# KiCad board 32u2.kicad_pcb
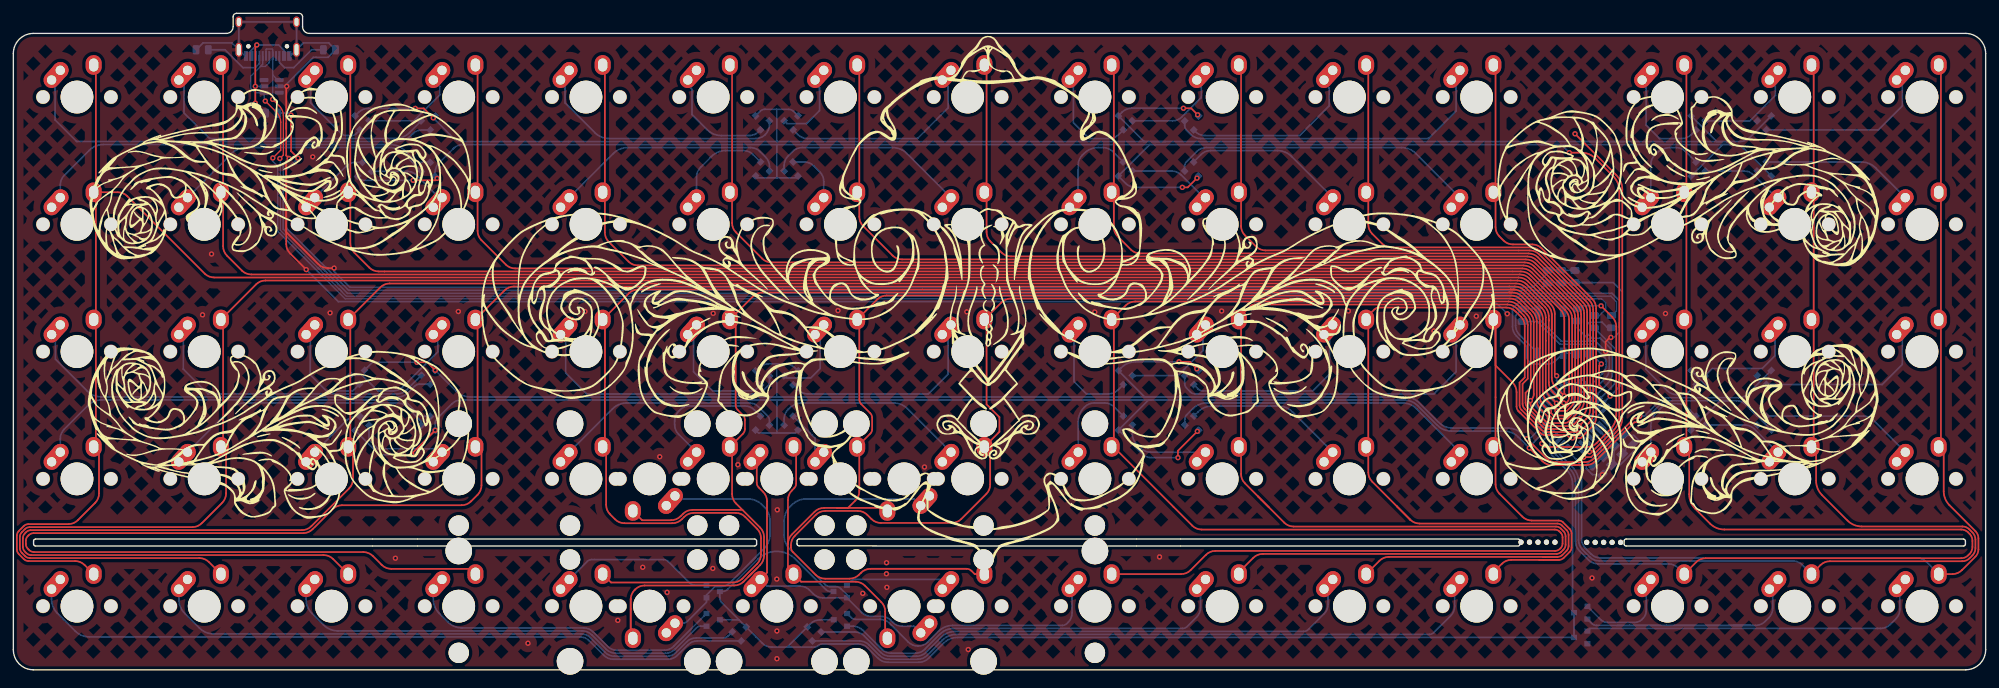
[diagram p0: board, top side]
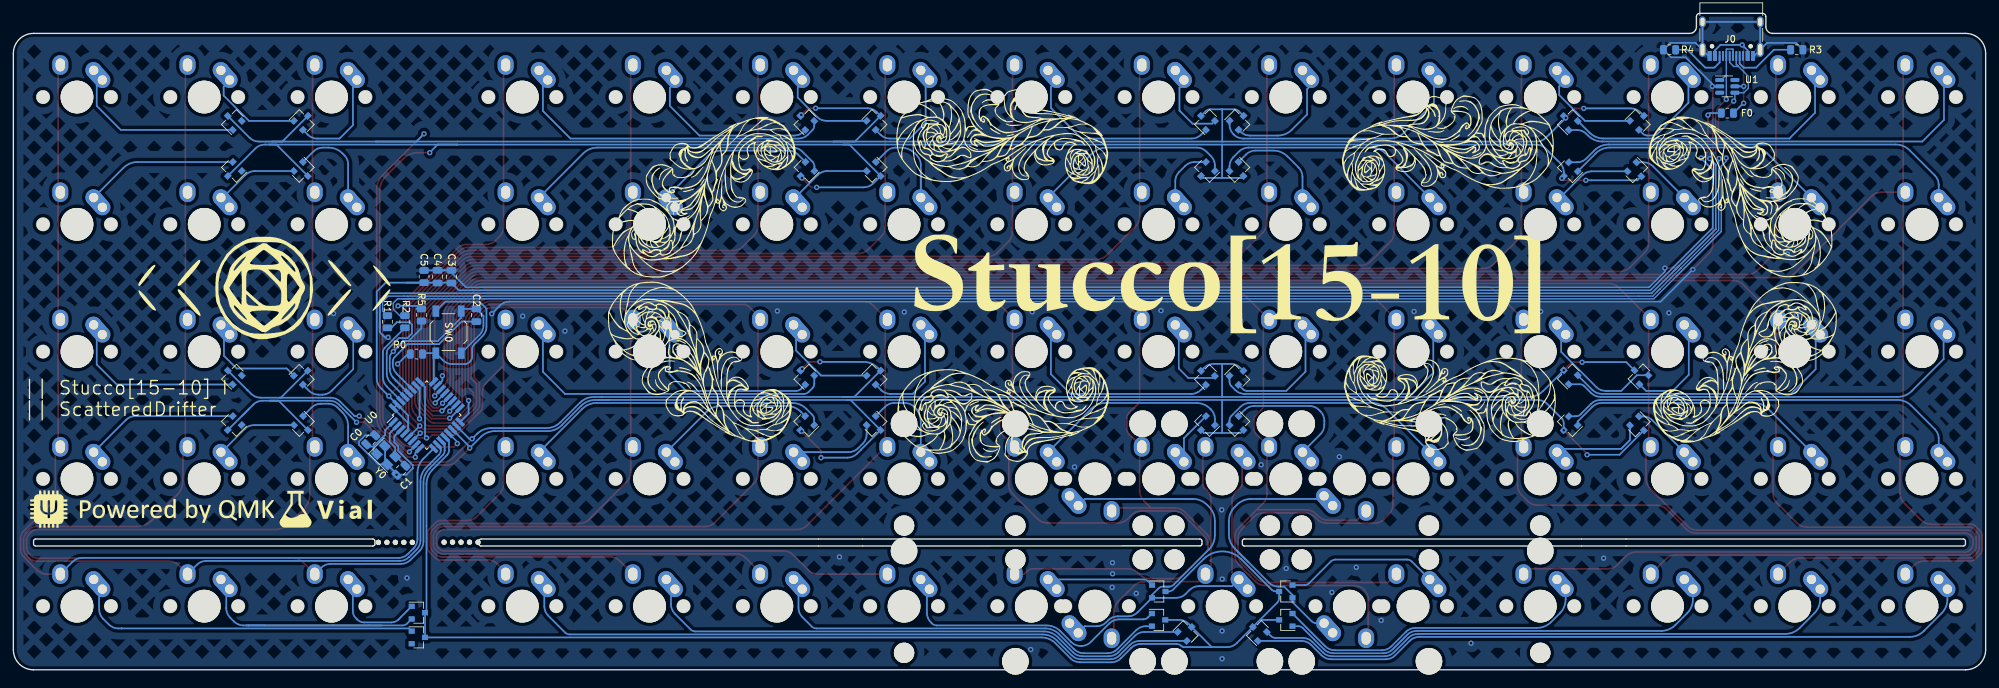
[diagram p1: board, bottom side, seen from below]

Outline 295.27 x 98.25 mm; copper layers: Top, Bottom. Coordinates in mm from the lower left corner of the outline.
Outline path: 0,92.25 arc(0.88,94.37) 3,95.25 31.9,95.25 arc(32.61,95.54) 32.9,96.25 32.9,97.75 arc(33.05,98.1) 33.4,98.25 42.8,98.25 arc(43.15,98.1) 43.3,97.75 43.3,96.25 arc(43.59,95.54) 44.3,95.25 292.27,95.25 arc(294.4,94.37) 295.27,92.25 295.27,3 arc(294.4,0.88) 292.27,0 3,0 arc(0.88,0.88) 0,3 0,92.25 ; 3.02,19.28 3.02,18.83 arc(3.11,18.61) 3.32,18.53 110.97,18.53 arc(111.19,18.61) 111.27,18.83 111.27,19.28 arc(111.19,19.49) 110.97,19.58 3.32,19.58 arc(3.11,19.49) 3.02,19.28 ; 117.33,19.28 117.33,18.85 arc(117.41,18.64) 117.62,18.55 168.12,18.53 174.78,18.53 225.28,18.53 arc(225.49,18.61) 225.58,18.83 225.58,19.28 arc(225.49,19.49) 225.28,19.58 117.62,19.58 arc(117.41,19.49) 117.33,19.28 ; 241.15,19.28 241.15,18.83 arc(241.24,18.61) 241.45,18.53 291.95,18.53 arc(292.16,18.61) 292.25,18.83 292.25,19.28 arc(292.16,19.49) 291.95,19.58 241.45,19.58 arc(241.24,19.49) 241.15,19.28
Stack: Top 0.035mm / dielectric 1.51mm FR4 er 4.5 / Bottom 0.035mm

## Placement (name value [footprint] x y rotation side)
C0  22pf  [C_0805_2012Metric]  241.78 34.43 315 bottom
C1  22pf  [C_0805_2012Metric]  237.24 29.87 135 bottom
C2  1uf  [C_0805_2012Metric]  225.95 53.07 90 bottom
C3  .1uf / 100nf  [C_0805_2012Metric]  229.69 58.84 90 bottom
C4  .1uf / 100nf  [C_0805_2012Metric]  231.77 58.84 90 bottom
C5  10uf  [R_0805_2012Metric]  233.78 58.86 90 bottom
D1  BAV70  [SOT-23]  62.44 82.18 45 bottom
D2  BAV70  [SOT-23]  51.87 82.2 135 bottom
D3  BAV70  [SOT-23]  111.81 82.2 135 bottom
D4  BAV70  [SOT-23]  116.77 82.2 45 bottom
D5  BAV70  [SOT-23]  166.15 82.2 135 bottom
D6  BAV70  [SOT-23]  176.75 82.18 45 bottom
D7  BAV70  [SOT-23]  251.89 82.19 135 bottom
D8  BAV70  [SOT-23]  262.46 82.19 45 bottom
D9  BAV70  [SOT-23]  62.44 74.58 315 bottom
D10  BAV70  [SOT-23]  52.24 74.58 225 bottom
D11  BAV70  [SOT-23]  111.83 74.62 225 bottom
D12  BAV70  [SOT-23]  116.77 74.62 315 bottom
D13  BAV70  [SOT-23]  166.12 74.62 225 bottom
D14  BAV70  [SOT-23]  176.73 74.62 315 bottom
D15  BAV70  [SOT-23]  251.9 74.62 225 bottom
D16  BAV70  [SOT-23]  262.45 74.62 315 bottom
D17  BAV70  [SOT-23]  62.45 44.12 45 bottom
D18  BAV70  [SOT-23]  51.86 44.12 45 bottom
D19  BAV70  [SOT-23]  111.83 44.03 135 bottom
D20  BAV70  [SOT-23]  116.77 44.03 45 bottom
D21  BAV70  [SOT-23]  166.15 44.07 135 bottom
D22  BAV70  [SOT-23]  176.75 44.07 45 bottom
D23  BAV70  [SOT-23]  251.9 44.06 135 bottom
D24  BAV70  [SOT-23]  262.45 44.08 45 bottom
D25  BAV70  [SOT-23]  62.45 36.56 315 bottom
D26  BAV70  [SOT-23]  51.86 36.55 225 bottom
D27  BAV70  [SOT-23]  111.83 36.59 225 bottom
D28  BAV70  [SOT-23]  116.77 36.59 315 bottom
D29  BAV70  [SOT-23]  166.15 36.59 225 bottom
D30  BAV70  [SOT-23]  176.77 36.59 315 bottom
D31  BAV70  [SOT-23]  251.88 36.59 225 bottom
D32  BAV70  [SOT-23]  262.46 36.59 315 bottom
D33  BAV70  [SOT-23]  108.99 5.7 45 bottom
D34  BAV70  [SOT-23]  104.77 7.48 0 bottom
D35  BAV70  [SOT-23]  104.77 11.73 0 bottom
D36  BAV70  [SOT-23]  123.8 11.73 180 bottom
D37  BAV70  [SOT-23]  123.82 7.48 180 bottom
D38  BAV70  [SOT-23]  119.57 5.7 135 bottom
D39  BAV70  [SOT-23]  234.65 8.55 180 bottom
D40  BAV70  [SOT-23]  234.65 4.85 180 bottom
F0  Polyfuse  [R_0805_2012Metric]  38.67 83.33 0 bottom
G***  LOGO  [test_stuck_mainornament_smaller]  146.45 35.95 0 top
G***#2  LOGO  [test_stuck_resized_flipped]  6.13 88.52 180 top
G***#3  LOGO  [test_stuck_resized]  284.56 87.46 180 top
G***#4  LOGO  [test_stuck_resized_flipped]  284.51 21.68 0 top
G***#5  LOGO  [test_stuck_resized]  5.88 21.19 0 top
G***#6  LOGO  [vial_logo]  247.59 24 180 bottom
G***#7  LOGO  [stucco_logo]  114.3 58.2 180 bottom
G***#8  LOGO  [test_stuck_ornament_small]  128.31 30.24 180 bottom
G***#9  LOGO  [test_stuck_ornament_small]  99.28 86.76 0 bottom
G***#10  LOGO  [test_stuck_ornament_small]  43.4 90.9 45 bottom
G***#11  LOGO  [qmk]  274.41 24.08 180 bottom
G***#12  LOGO  [test_mylogo]  411.55 41.23 180 bottom
G***#13  LOGO  [test_stuck_ornament_small]  185.79 25.95 225 bottom
Ge  LOGO  [test_stuck_ornamentflipped_small]  42.75 25.91 135 bottom
Ge#2  LOGO  [test_stuck_ornamentflipped_small]  185.19 90.84 315 bottom
Ge#3  LOGO  [test_stuck_ornamentflipped_small]  98.98 31.99 180 bottom
Ge#4  LOGO  [test_stuck_ornamentflipped_small]  128.46 87.76 0 bottom
J0  USB_C_Receptacle_USB2.0  [USB_C_Receptacle_HRO_TYPE-C-31-M-12]  38.08 95.93 0 bottom
R0  10k  [R_0805_2012Metric]  234.94 47.26 180 bottom
R1  22  [R_0805_2012Metric]  239.27 52.1 270 bottom
R2  22  [R_0805_2012Metric]  236.67 52.1 270 bottom
R3  5.1k  [R_0805_2012Metric]  28.28 92.8 180 bottom
R4  5.1k  [R_0805_2012Metric]  47.33 92.8 0 bottom
R5  10k  [R_0805_2012Metric]  234.19 53.11 270 bottom
REF**  -  [STAB_MX_6u]  114.3 9.53 180 top
REF**#2  -  [STAB_MX_2u]  95.25 28.58 180 top
REF**#3  -  [STAB_MX_2u]  133.35 9.53 0 top
REF**#4  -  [STAB_MX_2u]  114.3 28.58 180 top
REF**#5  -  [STAB_MX_2u]  133.35 28.58 180 top
REF**#6  -  [STAB_MX_6u]  114.3 28.58 180 top
REF**#7  -  [breakaway-mousebites]  238.09 18.82 0 top
REF**#8  -  [breakaway-mousebites]  228.26 18.85 0 top
REF**#9  -  [STAB_MX_2u]  114.3 9.53 0 top
REF**#10  -  [STAB_MX_2u]  95.25 9.53 0 top
SW0  SW_PUSH  [SW_SPST_TL3342]  230.12 50.54 270 bottom
SW0_13  SW_PUSH  [keyswitch_cherrymx_alps_combo]  247.65 85.73 0 top
SW4  SW_PUSH  [keyswitch_cherrymx_alps_combo]  66.67 85.73 0 top
SW11  SW_PUSH  [keyswitch_cherrymx_alps_combo]  9.52 66.68 0 top
SW12  SW_PUSH  [keyswitch_cherrymx_alps_combo]  28.57 66.68 0 top
SW13  SW_PUSH  [keyswitch_cherrymx_alps_combo]  47.62 66.68 0 top
SW14  SW_PUSH  [keyswitch_cherrymx_alps_combo]  66.67 66.68 0 top
SW15  SW_PUSH  [keyswitch_cherrymx_alps_combo]  85.72 66.68 0 top
SW16  SW_PUSH  [keyswitch_cherrymx_alps_combo]  104.77 66.68 0 top
SW17  SW_PUSH  [keyswitch_cherrymx_alps_combo]  123.83 66.68 0 top
SW18  SW_PUSH  [keyswitch_cherrymx_alps_combo]  142.88 66.68 0 top
SW19  SW_PUSH  [keyswitch_cherrymx_alps_combo]  161.93 66.68 0 top
SW110  SW_PUSH  [keyswitch_cherrymx_alps_combo]  180.98 66.68 0 top
SW111  SW_PUSH  [keyswitch_cherrymx_alps_combo]  200.03 66.68 0 top
SW112  SW_PUSH  [keyswitch_cherrymx_alps_combo]  219.08 66.68 0 top
SW113  SW_PUSH  [keyswitch_cherrymx_alps_combo]  247.65 66.68 0 top
SW114  SW_PUSH  [keyswitch_cherrymx_alps_combo]  266.7 66.68 0 top
SW115  SW_PUSH  [keyswitch_cherrymx_alps_combo]  285.75 66.68 0 top
SW201  SW_PUSH  [keyswitch_cherrymx_alps_combo]  9.52 47.63 0 top
SW202  SW_PUSH  [keyswitch_cherrymx_alps_combo]  28.57 47.63 0 top
SW203  SW_PUSH  [keyswitch_cherrymx_alps_combo]  47.62 47.63 0 top
SW204  SW_PUSH  [keyswitch_cherrymx_alps_combo]  66.67 47.63 0 top
SW205  SW_PUSH  [keyswitch_cherrymx_alps_combo]  85.72 47.63 0 top
SW206  SW_PUSH  [keyswitch_cherrymx_alps_combo]  104.77 47.63 0 top
SW207  SW_PUSH  [keyswitch_cherrymx_alps_combo]  123.83 47.63 0 top
SW208  SW_PUSH  [keyswitch_cherrymx_alps_combo]  142.88 47.63 0 top
SW209  SW_PUSH  [keyswitch_cherrymx_alps_combo]  161.93 47.63 0 top
SW210  SW_PUSH  [keyswitch_cherrymx_alps_combo]  180.98 47.63 0 top
SW211  SW_PUSH  [keyswitch_cherrymx_alps_combo]  200.03 47.63 0 top
SW212  SW_PUSH  [keyswitch_cherrymx_alps_combo]  219.08 47.63 0 top
SW213  SW_PUSH  [keyswitch_cherrymx_alps_combo]  247.65 47.63 0 top
SW214  SW_PUSH  [keyswitch_cherrymx_alps_combo]  266.7 47.63 0 top
SW215  SW_PUSH  [keyswitch_cherrymx_alps_combo]  285.75 47.63 0 top
SW301  SW_PUSH  [keyswitch_cherrymx_alps_combo]  9.52 28.58 0 top
SW302  SW_PUSH  [keyswitch_cherrymx_alps_combo]  28.57 28.58 0 top
SW303  SW_PUSH  [keyswitch_cherrymx_alps_combo]  47.62 28.58 0 top
SW304  SW_PUSH  [keyswitch_cherrymx_alps_combo]  66.67 28.58 0 top
SW305  SW_PUSH  [keyswitch_cherrymx_alps_combo]  85.72 28.58 0 top
SW306  SW_PUSH  [keyswitch_cherrymx_alps_combo]  104.77 28.58 0 top
SW307  SW_PUSH  [keyswitch_cherrymx_alps_combo]  123.83 28.58 0 top
SW308  SW_PUSH  [keyswitch_cherrymx_alps_combo]  142.88 28.58 0 top
SW309  SW_PUSH  [keyswitch_cherrymx_alps_combo]  161.93 28.58 0 top
SW310  SW_PUSH  [keyswitch_cherrymx_alps_combo]  180.98 28.58 0 top
SW311  SW_PUSH  [keyswitch_cherrymx_alps_combo]  200.03 28.58 0 top
SW312  SW_PUSH  [keyswitch_cherrymx_alps_combo]  219.08 28.58 0 top
SW313  SW_PUSH  [keyswitch_cherrymx_alps_combo]  247.65 28.58 0 top
SW314  SW_PUSH  [keyswitch_cherrymx_alps_combo]  266.7 28.58 0 top
SW315  SW_PUSH  [keyswitch_cherrymx_alps_combo]  285.75 28.58 0 top
SW401  SW_PUSH  [keyswitch_cherrymx_alps_combo]  9.52 9.53 0 top
SW402  SW_PUSH  [keyswitch_cherrymx_alps_combo]  28.57 9.53 0 top
SW403  SW_PUSH  [keyswitch_cherrymx_alps_combo]  47.62 9.53 0 top
SW404  SW_PUSH  [keyswitch_cherrymx_alps_combo]  66.67 9.53 0 top
SW405  SW_PUSH  [keyswitch_cherrymx_alps_combo]  85.72 9.53 0 top
SW406  SW_PUSH  [keyswitch_cherrymx_alps_combo]  95.25 9.53 180 top
SW406_1  SW_PUSH  [keyswitch_cherrymx_alps_combo]  95.25 28.58 180 top
SW407  SW_PUSH  [keyswitch_cherrymx_alps_combo]  114.3 9.53 0 top
SW407_1  SW_PUSH  [keyswitch_cherrymx_alps_combo]  133.35 9.53 180 top
SW407_2  SW_PUSH  [keyswitch_cherrymx_alps_combo]  133.35 28.58 180 top
SW407_3  SW_PUSH  [keyswitch_cherrymx_alps_combo]  114.3 28.58 0 top
SW408  SW_PUSH  [keyswitch_cherrymx_alps_combo]  142.88 9.53 0 top
SW409  SW_PUSH  [keyswitch_cherrymx_alps_combo]  161.93 9.53 0 top
SW410  SW_PUSH  [keyswitch_cherrymx_alps_combo]  180.98 9.53 0 top
SW411  SW_PUSH  [keyswitch_cherrymx_alps_combo]  200.03 9.53 0 top
SW412  SW_PUSH  [keyswitch_cherrymx_alps_combo]  219.08 9.53 0 top
SW413  SW_PUSH  [keyswitch_cherrymx_alps_combo]  247.65 9.53 0 top
SW414  SW_PUSH  [keyswitch_cherrymx_alps_combo]  266.7 9.53 0 top
SW415  SW_PUSH  [keyswitch_cherrymx_alps_combo]  285.75 9.53 0 top
SW_1  001  [keyswitch_cherrymx_alps_combo]  9.52 85.73 0 top
SW_2  SW_PUSH  [keyswitch_cherrymx_alps_combo]  28.57 85.73 0 top
SW_3  SW_PUSH  [keyswitch_cherrymx_alps_combo]  47.62 85.73 0 top
SW_5  SW_PUSH  [keyswitch_cherrymx_alps_combo]  85.72 85.73 0 top
SW_6  SW_PUSH  [keyswitch_cherrymx_alps_combo]  104.77 85.73 0 top
SW_7  SW_PUSH  [keyswitch_cherrymx_alps_combo]  123.83 85.73 0 top
SW_8  SW_PUSH  [keyswitch_cherrymx_alps_combo]  142.88 85.73 0 top
SW_9  SW_PUSH  [keyswitch_cherrymx_alps_combo]  161.93 85.73 0 top
SW_10  SW_PUSH  [keyswitch_cherrymx_alps_combo]  180.98 85.73 0 top
SW_11  SW_PUSH  [keyswitch_cherrymx_alps_combo]  200.03 85.73 0 top
SW_12  SW_PUSH  [keyswitch_cherrymx_alps_combo]  219.08 85.73 0 top
SW_14  SW_PUSH  [keyswitch_cherrymx_alps_combo]  266.7 85.73 0 top
SW_15  SW_PUSH  [keyswitch_cherrymx_alps_combo]  285.75 85.73 0 top
U0  ATmega32U2-A  [TQFP-32_7x7mm_P0.8mm]  233.39 38.12 135 bottom
U1  SRV05-4  [SOT-23-6]  38.67 87.33 180 bottom
Y0  Crystal_GND24_Small  [Crystal_SMD_3225-4Pin_3.2x2.5mm]  239.49 32.12 225 bottom

## Library data of the parts
C0 C1 = -: LCSC: C1804
C2 = -: LCSC: C28323
C3 C4 = -: LCSC: C49678
C5 = -: LCSC: C91245
F0 = -: LSCS: C69688
J0 = -: LCSC: C165948
R0 R5 = -: LCSC: C17414
R1 R2 = -: LCSC: C17561
R3 R4 = -: LCSC: C27834
SW0 = -: LCSC: C318884
U0 = -: LCSC: C618733
U1 = -: LCSC: C85364
Y0 = -: LCSC: C13738

## Footprints (pads in the part's own frame, mm; a bottom-side part is the same pattern mirrored in y, then rotated)
breakaway-mousebites
  round 0.787 hole 0.787 unplated: (-2.54,0.254) (-1.27,0.254) (0,0.254) (1.27,0.254) (2.54,0.254)
C_0805_2012Metric
  rrect 1x1.45 smd: 1(-0.95,0) 2(0.95,0)
Crystal_SMD_3225-4Pin_3.2x2.5mm
  rect 1.4x1.2 smd: 1(-1.1,-0.85) 2(1.1,-0.85) 3(1.1,0.85) 4(-1.1,0.85)
keyswitch_cherrymx_alps_combo
  round 2.1 hole 2 unplated: (-5.08,0) (5.08,0)
  round 4.9 hole 4.9 unplated: (0,0)
  oval 2.4x4.4 hole 1.4 rot 138: 1(-3.8,2.55)
  round 2.4 hole 1.4: 1(-2.5,4)
  oval 2.4x2.95 hole 1.4x1.95: 2(2.5,4.8)
R_0805_2012Metric
  rrect 1.025x1.4 smd: 1(-0.912,0) 2(0.912,0)
SOT-23
  rect 0.9x0.8 smd: 1(-1,0.95) 2(-1,-0.95) 3(1,0)
SOT-23-6
  rrect 1.325x0.6 smd: 1(-1.137,0.95) 2(-1.137,0) 3(-1.137,-0.95) 4(1.137,-0.95) 5(1.137,0) 6(1.137,0.95)
STAB_MX_2u
  round 3.048 hole 3.048 unplated: (-11.906,6.985) (11.906,6.985)
  round 3.988 hole 3.988 unplated: (-11.906,-8.255) (11.906,-8.255)
STAB_MX_6u
  round 3.048 hole 3.048 unplated: (-47.625,6.985) (47.625,6.985)
  round 3.988 hole 3.988 unplated: (-47.625,-8.255) (47.625,-8.255)
SW_SPST_TL3342
  rect 1.7x1 smd: 1(-3.15,1.9) 1(3.15,1.9) 2(-3.15,-1.9) 2(3.15,-1.9)
TQFP-32_7x7mm_P0.8mm
  rect 1.6x0.55 smd: 1(-4.25,2.8) 2(-4.25,2) 3(-4.25,1.2) 4(-4.25,0.4) 5(-4.25,-0.4) 6(-4.25,-1.2) 7(-4.25,-2) 8(-4.25,-2.8) 17(4.25,-2.8) 18(4.25,-2) 19(4.25,-1.2) 20(4.25,-0.4) 21(4.25,0.4) 22(4.25,1.2) 23(4.25,2) 24(4.25,2.8)
  rect 0.55x1.6 smd: 9(-2.8,-4.25) 10(-2,-4.25) 11(-1.2,-4.25) 12(-0.4,-4.25) 13(0.4,-4.25) 14(1.2,-4.25) 15(2,-4.25) 16(2.8,-4.25) 25(2.8,4.25) 26(2,4.25) 27(1.2,4.25) 28(0.4,4.25) 29(-0.4,4.25) 30(-1.2,4.25) 31(-2,4.25) 32(-2.8,4.25)
USB_C_Receptacle_HRO_TYPE-C-31-M-12
  round 0.65 hole 0.65 unplated: (-2.89,2.6) (2.89,2.6)
  rect 0.6x1.45 smd: A1(-3.25,4.045) A4(-2.45,4.045) A9(2.45,4.045) A12(3.25,4.045) B1(3.25,4.045) B4(2.45,4.045) B9(-2.45,4.045) B12(-3.25,4.045)
  rect 0.3x1.45 smd: A5(-1.25,4.045) A6(-0.25,4.045) A7(0.25,4.045) A8(1.25,4.045) B5(1.75,4.045) B6(0.75,4.045) B7(-0.75,4.045) B8(-1.75,4.045)
  oval 1x1.6 hole 0.6x1.2: S1(-4.32,-1.05) S1(4.32,-1.05)
  oval 1x2.1 hole 0.6x1.7: S1(-4.32,3.13) S1(4.32,3.13)

## Nets
GND: C0.1 C1.1 C2.2 C3.2 C4.2 C5.2 J0.A1 J0.A12 J0.B1 J0.B12 J0.S1 R3.2 R4.2 R5.2 SW0.1 U0.3 U0.28 U1.2 Y0.2 Y0.4
VCC: F0.1 J0.A4 J0.A9 J0.B4 J0.B9 U1.5
+5: C3.1 C4.1 C5.1 F0.2 R0.1 U0.4 U0.31 U0.32
COL0: SW11.2 SW201.2 SW301.2 SW401.2 SW_1.2 U0.23
COL1: SW12.2 SW202.2 SW302.2 SW402.2 SW_2.2 U0.22
COL2: SW13.2 SW203.2 SW303.2 SW403.2 SW_3.2 U0.21
COL3: SW4.2 SW14.2 SW204.2 SW304.2 SW404.2 U0.20
COL4: SW15.2 SW205.2 SW305.2 SW405.2 SW_5.2 U0.19
COL5: SW16.2 SW206.2 SW306.2 SW406.2 SW406_1.2 SW_6.2 U0.18
COL6: SW17.2 SW207.2 SW307.2 SW407.2 SW407_1.2 SW407_2.2 SW407_3.2 SW_7.2 U0.17
COL7: SW18.2 SW208.2 SW308.2 SW408.2 SW_8.2 U0.16
COL8: SW19.2 SW209.2 SW309.2 SW409.2 SW_9.2 U0.26
COL9: SW110.2 SW210.2 SW310.2 SW410.2 SW_10.2 U0.5
COL10: SW111.2 SW211.2 SW311.2 SW411.2 SW_11.2 U0.6
COL11: SW112.2 SW212.2 SW312.2 SW412.2 SW_12.2 U0.25
COL12: SW0_13.2 SW113.2 SW213.2 SW313.2 SW413.2 U0.11
COL13: SW114.2 SW214.2 SW314.2 SW414.2 SW_14.2 U0.10
COL14: SW115.2 SW215.2 SW315.2 SW415.2 SW_15.2 U0.9
D+: J0.A6 J0.B6 R1.1 U1.1
D-: J0.A7 J0.B7 R2.1 U1.4
ROW0: D1.3 D2.3 D3.3 D4.3 D5.3 D6.3 D7.3 D8.3 U0.8
ROW1: D9.3 D10.3 D11.3 D12.3 D13.3 D14.3 D15.3 D16.3 U0.7
ROW2: D17.3 D18.3 D19.3 D20.3 D21.3 D22.3 D23.3 D24.3 U0.15
ROW3: D25.3 D26.3 D27.3 D28.3 D29.3 D30.3 D31.3 D32.3 U0.14
ROW4: D33.3 D34.3 D35.3 D36.3 D37.3 D38.3 D39.3 D40.3 U0.12
Net-(C0-Pad2): C0.2 U0.1 Y0.1
Net-(C1-Pad2): C1.2 U0.2 Y0.3
Net-(C2-Pad1): C2.1 U0.27
Net-(D1-Pad1): D1.1 SW_1.1
Net-(D1-Pad2): D1.2 SW_2.1
Net-(D2-Pad1): D2.1 SW4.1
Net-(D2-Pad2): D2.2 SW_3.1
Net-(D3-Pad1): D3.1 SW_5.1
Net-(D3-Pad2): D3.2 SW_6.1
Net-(D4-Pad1): D4.1 SW_8.1
Net-(D4-Pad2): D4.2 SW_7.1
Net-(D5-Pad1): D5.1 SW_10.1
Net-(D5-Pad2): D5.2 SW_9.1
Net-(D6-Pad1): D6.1 SW_11.1
Net-(D6-Pad2): D6.2 SW_12.1
Net-(D7-Pad1): D7.1 SW_14.1
Net-(D7-Pad2): D7.2 SW0_13.1
Net-(D8-Pad1): D8.1 SW_15.1
Net-(D9-Pad1): D9.1 SW12.1
Net-(D9-Pad2): D9.2 SW11.1
Net-(D10-Pad1): D10.1 SW13.1
Net-(D10-Pad2): D10.2 SW14.1
Net-(D11-Pad1): D11.1 SW16.1
Net-(D11-Pad2): D11.2 SW15.1
Net-(D12-Pad1): D12.1 SW18.1
Net-(D12-Pad2): D12.2 SW17.1
Net-(D13-Pad1): D13.1 SW19.1
Net-(D13-Pad2): D13.2 SW110.1
Net-(D14-Pad1): D14.1 SW112.1
Net-(D14-Pad2): D14.2 SW111.1
Net-(D15-Pad1): D15.1 SW113.1
Net-(D15-Pad2): D15.2 SW114.1
Net-(D16-Pad2): D16.2 SW115.1
Net-(D17-Pad1): D17.1 SW201.1
Net-(D17-Pad2): D17.2 SW202.1
Net-(D18-Pad1): D18.1 SW203.1
Net-(D18-Pad2): D18.2 SW204.1
Net-(D19-Pad1): D19.1 SW205.1
Net-(D19-Pad2): D19.2 SW206.1
Net-(D20-Pad1): D20.1 SW208.1
Net-(D20-Pad2): D20.2 SW207.1
Net-(D21-Pad1): D21.1 SW210.1
Net-(D21-Pad2): D21.2 SW209.1
Net-(D22-Pad1): D22.1 SW211.1
Net-(D22-Pad2): D22.2 SW212.1
Net-(D23-Pad1): D23.1 SW214.1
Net-(D23-Pad2): D23.2 SW213.1
Net-(D24-Pad1): D24.1 SW215.1
Net-(D25-Pad1): D25.1 SW302.1
Net-(D25-Pad2): D25.2 SW301.1
Net-(D26-Pad1): D26.1 SW303.1
Net-(D26-Pad2): D26.2 SW304.1
Net-(D27-Pad1): D27.1 SW306.1
Net-(D27-Pad2): D27.2 SW305.1
Net-(D28-Pad1): D28.1 SW308.1
Net-(D28-Pad2): D28.2 SW307.1
Net-(D29-Pad1): D29.1 SW309.1
Net-(D29-Pad2): D29.2 SW310.1
Net-(D30-Pad1): D30.1 SW312.1
Net-(D30-Pad2): D30.2 SW311.1
Net-(D31-Pad1): D31.1 SW313.1
Net-(D31-Pad2): D31.2 SW314.1
Net-(D32-Pad2): D32.2 SW315.1
Net-(D33-Pad1): D33.1 SW401.1
Net-(D33-Pad2): D33.2 SW402.1
Net-(D34-Pad1): D34.1 SW403.1
Net-(D34-Pad2): D34.2 SW404.1
Net-(D35-Pad1): D35.1 SW406.1 SW406_1.1
Net-(D35-Pad2): D35.2 SW405.1
Net-(D36-Pad1): D36.1 SW408.1
Net-(D36-Pad2): D36.2 SW407.1 SW407_1.1 SW407_2.1 SW407_3.1
Net-(D37-Pad1): D37.1 SW409.1
Net-(D37-Pad2): D37.2 SW410.1
Net-(D38-Pad1): D38.1 SW411.1
Net-(D38-Pad2): D38.2 SW412.1
Net-(D39-Pad1): D39.1 SW413.1
Net-(D39-Pad2): D39.2 SW414.1
Net-(D40-Pad1): D40.1 SW415.1
Net-(J0-PadA5): J0.A5 R3.1
Net-(J0-PadB5): J0.B5 R4.1
Net-(R0-Pad2): R0.2 SW0.2 U0.24
Net-(R1-Pad2): R1.2 U0.29
Net-(R2-Pad2): R2.2 U0.30
Net-(R5-Pad1): R5.1 U0.13

Pads without a net: D8 2; D16 1; D24 2; D32 1; D40 2; J0 A8 B8; U1 3 6

## Via types
v1: diameter 0.8, hole 0.4, Top to Bottom, 92 vias

## Routing (per net, layer and track width the routed paths; a pad name or vN(x,y) marks a point on that pad's centre or on a via; arc(x,y) is an arc through that point)
GND: length 760.7
  Top w0.25: v1(41.31,76.51) 41.32,76.5 ; v1(41.31,76.51) 40.85,76.97 40.85,81.76 ; v1(41.31,76.51) 40.85,76.06 ; 40.85,81.76 40.85,80.92 ; 40.85,81.76 40.85,87.26 v1(40.92,87.33) ; 40.85,76.06 40.85,65.52 45.66,60.71 arc(46.31,60.28) 47.07,60.13 v1(48.02,60.13) ; 40.85,76.06 40.85,63.72 arc(41,62.96) 41.44,62.31 v1(43.84,59.9) ; v1(238.39,47.65) 238.39,49.11 239.22,49.95
  Bottom w0.25: J0.S1 34.67,91.88 J0.A1 ; J0.S1 J0.S1 J0.S1 J0.S1 ; J0.S1 32.73,93.82 28.39,93.82 R3.2 ; 240.43,55.27 240.43,51.99 ; 240.43,55.27 239.34,56.35 50.01,56.35 45.92,60.44 ; 240.43,55.27 240.43,50.53 ; J0.S1 41.48,91.88 J0.A12 ; J0.S1 43.42,93.82 47.21,93.82 R4.2 47.11,91.68 44.92,91.68 40.92,87.68 v1(40.92,87.33) ; 45.92,60.44 46.72,59.64 ; 45.92,60.44 40.4,65.96 40.4,75.61 v1(41.31,76.51) ; SW0.1 225.48,50.13 arc(225.05,50.78) 224.9,51.55 224.9,52.97 C2.2 227.9,54.02 SW0.1 228.23,52.7 231.73,49.19 236.84,49.19 ; 240.43,51.99 240.43,50.53 ; 240.43,51.99 240.43,51.15 ; 235.48,30.14 236.42,29.2 v1(237.91,29.2) 237.91,29.34 Y0.2 ; 235.48,30.14 235.68,29.94 ; 235.48,30.14 235.48,30.62 237.2,32.34 ; v1(223.66,53.29) 222.43,54.51 arc(221.78,54.95) 221.02,55.1 122.47,55.1 122.47,55.1 48.64,55.1 v1(43.84,59.9) ; 240.43,50.53 239.65,49.75 v1(239.17,49.75) ; 236.39,41.4 U0.28 237.94,43.24 ; 237.2,32.34 237.66,32.8 237.66,33.48 238.25,34.07 238.25,34.95 U0.3 238.03,35.17 ; 237.2,32.34 237.46,32.61 ; R5.2 234.19,51.12 236.12,49.19 236.84,49.19 ; C0.1 242.59,35.1 243.53,34.16 243.53,33.66 240.62,30.74 Y0.2 ; v1(48.02,60.13) 48.02,59.61 50.38,57.25 227.51,57.25 230.05,59.79 C4.2 ; 236.84,49.19 v1(238.39,47.65) 238.63,47.4 arc(238.85,47.08) 238.93,46.69 238.93,45.05 arc(238.77,44.29) 238.34,43.64 237.94,43.24 ; 237.94,43.24 238.06,43.36 ; U1.2 v1(40.92,87.33) ; v1(40.92,87.33) 40.85,87.26 ; Y0.2 239.62,31.05 239.62,33.46 Y0.4 ; C3.2 233.77,59.79 C5.2
  vias: v1(28.32,53.13) v1(29.67,62.23) v1(44.82,76.78) v1(47.42,53.43) v1(57.19,16.7) v1(66.62,53.63) v1(77.05,3.98) v1(85.57,53.63) v1(90.49,7.4) v1(94.22,15.34) v1(96.77,31.89) v1(97.88,11.59) v1(104.77,53.35) v1(104.71,15.17) v1(108.47,30.7) v1(114.37,23.95) v1(114.3,13.58) v1(114.31,5.81) v1(114.31,1.66) v1(123.45,53.76) v1(127.17,11.44) v1(130.73,16.03) v1(130.72,14.37) v1(130.78,12.34) v1(136.41,30.36) v1(142.75,53.58) v1(142.97,3.03) v1(161.9,53.55) v1(171.59,16.9) v1(180.9,53.7) v1(199.87,53.7) v1(212.7,50.7) v1(219.02,52.93) v1(236.34,13.75) v1(247.34,53.33)
VCC: length 19.4
  Top w0.25: v1(36.45,93.53) 36.22,93.3 v1(36.22,87.33) v1(36.22,84.81)
  Bottom w0.25: J0.A9 40.53,92.7 39.7,93.53 v1(36.45,93.53) 35.62,92.7 J0.A4 ; U1.5 36.34,87.33 ; F0.1 36.28,84.81 v1(36.22,84.81)
+5: length 265.9
  Top w0.25: v1(42.61,76.59) 41.57,77.62 v1(41.57,83.03) 41.57,81.5 ; v1(237.75,45.78) 237.7,45.78 237.41,45.49 237.41,42.63 239.05,41
  Bottom w0.25: U0.31 U0.32 236.15,36.92 236.15,35.91 ; U0.31 236.15,38.06 236.15,35.91 ; U0.31 v1(239.06,40.96) 240.29,42.19 arc(240.72,42.84) 240.88,43.61 240.88,53.41 ; R0.1 236.24,47.26 v1(237.75,45.78) 237.75,45.75 ; U0.4 236.15,35.91 ; C5.1 229.74,57.95 C3.1 228.59,56.8 50.2,56.8 46.76,60.24 ; C5.1 239.52,57.95 240.88,56.59 240.88,53.41 ; C5.1 236.42,57.95 ; F0.2 41.25,83.33 41.55,83.03 v1(41.57,83.03) ; 46.76,60.24 46.91,60.09 ; 46.76,60.24 40.85,66.15 40.85,74.83 v1(42.61,76.59) ; 240.88,53.41 240.88,53.49
COL0: length 333.5
  Top w0.25: v1(231.05,44) 230.77,44.27 230.77,53.29 arc(230.62,54.06) 230.18,54.71 226.76,58.13 arc(226.11,58.57) 225.34,58.72 30.06,58.72 arc(29.29,58.87) 28.64,59.31 17.06,70.89 arc(16.41,71.32) 15.64,71.48 SW11.2 ; 12.02,90.53 12.35,90.2 12.35,71.8 SW11.2 ; 12.02,14.33 10.66,15.69 arc(10.01,16.12) 9.25,16.28 2.28,16.28 arc(1.89,16.35) 1.57,16.57 0.81,17.32 arc(0.6,17.65) 0.52,18.03 0.52,20.07 arc(0.6,20.45) 0.81,20.78 1.54,21.51 arc(1.87,21.72) 2.25,21.8 8.23,21.8 arc(8.99,21.95) 9.64,22.38 12.24,24.98 arc(12.67,25.63) 12.82,26.4 12.82,32.66 12.11,33.38 SW301.2 12.35,33.7 12.35,52.1 SW201.2 12.35,52.75 12.35,71.15 SW11.2
  Bottom w0.25: v1(231.05,44) 231.05,43.28 U0.23
COL1: length 559.6
  Top w0.25: 230.32,53.3 230.32,51.01 ; 230.32,51.01 230.32,53.11 arc(230.17,53.87) 229.73,54.52 226.57,57.68 arc(225.92,58.12) 225.16,58.27 37.75,58.27 arc(36.98,58.12) 36.33,57.68 SW202.2 31.4,52.1 31.4,33.7 SW302.2 31.85,32.61 31.85,26.41 arc(31.69,25.64) 31.26,24.99 28.2,21.93 arc(27.55,21.5) 26.79,21.35 2.44,21.35 arc(2.05,21.27) 1.73,21.06 1.26,20.59 arc(1.05,20.27) 0.97,19.88 0.97,18.22 arc(1.05,17.83) 1.26,17.51 1.75,17.02 arc(2.08,16.8) 2.46,16.73 27.85,16.73 arc(28.61,16.57) 29.26,16.14 31.07,14.33 ; 230.32,51.01 230.32,43.7 arc(230.47,42.94) 230.91,42.29 v1(232.2,41) 232.2,52.5 arc(232.04,53.27) 231.61,53.92 226.94,58.58 arc(226.29,59.02) 225.53,59.17 35.62,59.17 arc(34.86,59.32) 34.21,59.76 31.99,61.98 arc(31.55,62.63) 31.4,63.39 31.4,71.15 SW12.2 31.4,71.8 31.4,90.2 31.07,90.53